# Altium PCB fMAX_MB.PcbDoc (part 3 of 13)
Units mil, origin at the board's own origin, x right, y up, seen from the top; angles counter-clockwise.
Board outline 9175 x 6300 mil, 14 copper layers (TopLayer, Gnd1, MidLayer1, Power1, MidLayer4, Power2, MidLayer2, Power3, MidLayer3, Gnd3, MidLayer6, Gnd2, MidLayer5, BottomLayer); 679 components, 896 nets, 4133 pads, 2341 vias.
Unrouted connection lines stored in the file: 4.
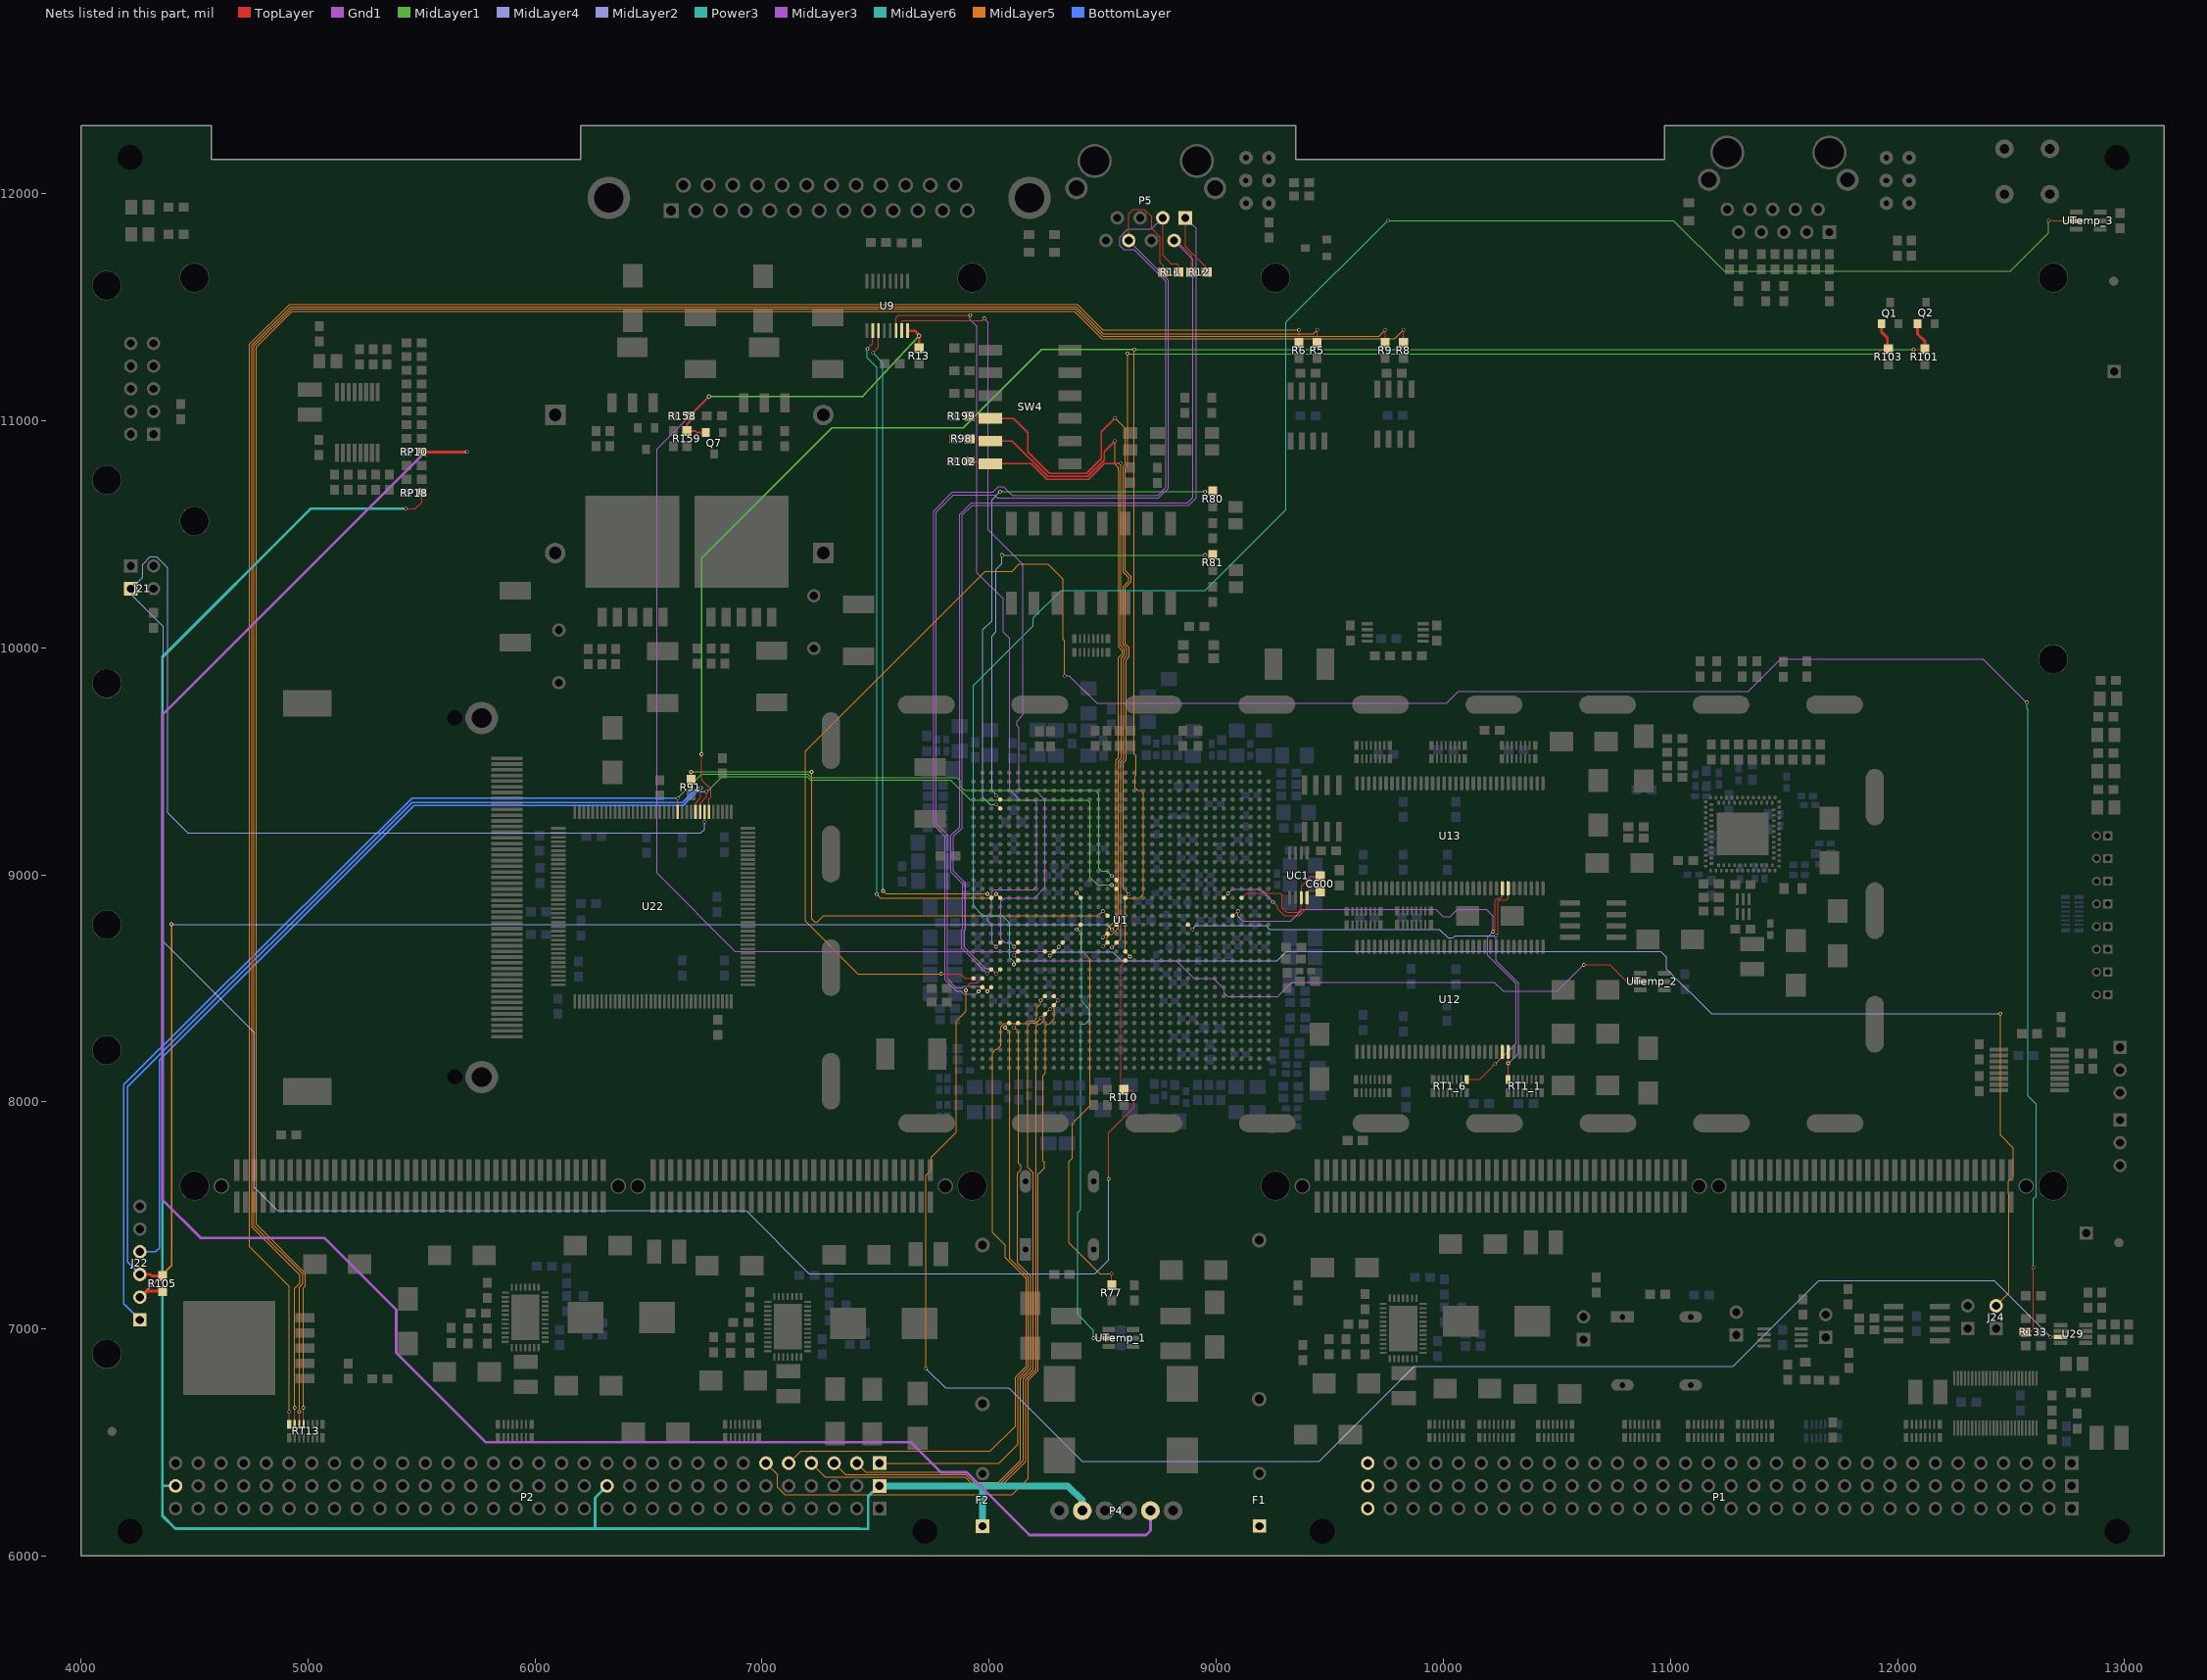
[diagram p15: the nets of this part, all layers, seen from the top]

## Footprints (in the part's own frame and the unit in brackets; to place one, negate y for a bottom-side part, rotate by r counter-clockwise, add the part's x,y. Pads: shape width x height; smd on the part's side, far side on the other; paste and mask are expansions set on the pad) (continued)
TQFP144 [mm] "144-Pin Plastic Thin Quad Flat Pack (TQFP)"
  rect 1.6x0.3 smd: 1(-10.6,8.75) 2(-10.6,8.25) 3(-10.6,7.75) 4(-10.6,7.25) 5(-10.6,6.75) 6(-10.6,6.25) 7(-10.6,5.75) 8(-10.6,5.25) 9(-10.6,4.75) 10(-10.6,4.25) 11(-10.6,3.75) 12(-10.6,3.25) 13(-10.6,2.75) 14(-10.6,2.25) 15(-10.6,1.75) 16(-10.6,1.25) 17(-10.6,0.75) 18(-10.6,0.25) 19(-10.6,-0.25) 20(-10.6,-0.75) 21(-10.6,-1.25) 22(-10.6,-1.75) 23(-10.6,-2.25) 24(-10.6,-2.75) 25(-10.6,-3.25) 26(-10.6,-3.75) 27(-10.6,-4.25) 28(-10.6,-4.75) 29(-10.6,-5.25) 30(-10.6,-5.75) 31(-10.6,-6.25) 32(-10.6,-6.75) 33(-10.6,-7.25) 34(-10.6,-7.75) 35(-10.6,-8.25) 36(-10.6,-8.75) 73(10.6,-8.75) 74(10.6,-8.25) 75(10.6,-7.75) 76(10.6,-7.25) 77(10.6,-6.75) 78(10.6,-6.25) 79(10.6,-5.75) 80(10.6,-5.25) 81(10.6,-4.75) 82(10.6,-4.25) 83(10.6,-3.75) 84(10.6,-3.25) 85(10.6,-2.75) 86(10.6,-2.25) 87(10.6,-1.75) 88(10.6,-1.25) 89(10.6,-0.75) 90(10.6,-0.25) 91(10.6,0.25) 92(10.6,0.75) 93(10.6,1.25) 94(10.6,1.75) 95(10.6,2.25) 96(10.6,2.75) 97(10.6,3.25) 98(10.6,3.75) 99(10.6,4.25) 100(10.6,4.75) 101(10.6,5.25) 102(10.6,5.75) 103(10.6,6.25) 104(10.6,6.75) 105(10.6,7.25) 106(10.6,7.75) 107(10.6,8.25) 108(10.6,8.75)
  rect 0.3x1.6 smd: 37(-8.75,-10.6) 38(-8.25,-10.6) 39(-7.75,-10.6) 40(-7.25,-10.6) 41(-6.75,-10.6) 42(-6.25,-10.6) 43(-5.75,-10.6) 44(-5.25,-10.6) 45(-4.75,-10.6) 46(-4.25,-10.6) 47(-3.75,-10.6) 48(-3.25,-10.6) 49(-2.75,-10.6) 50(-2.25,-10.6) 51(-1.75,-10.6) 52(-1.25,-10.6) 53(-0.75,-10.6) 54(-0.25,-10.6) 55(0.25,-10.6) 56(0.75,-10.6) 57(1.25,-10.6) 58(1.75,-10.6) 59(2.25,-10.6) 60(2.75,-10.6) 61(3.25,-10.6) 62(3.75,-10.6) 63(4.25,-10.6) 64(4.75,-10.6) 65(5.25,-10.6) 66(5.75,-10.6) 67(6.25,-10.6) 68(6.75,-10.6) 69(7.25,-10.6) 70(7.75,-10.6) 71(8.25,-10.6) 72(8.75,-10.6) 109(8.75,10.6) 110(8.25,10.6) 111(7.75,10.6) 112(7.25,10.6) 113(6.75,10.6) 114(6.25,10.6) 115(5.75,10.6) 116(5.25,10.6) 117(4.75,10.6) 118(4.25,10.6) 119(3.75,10.6) 120(3.25,10.6) 121(2.75,10.6) 122(2.25,10.6) 123(1.75,10.6) 124(1.25,10.6) 125(0.75,10.6) 126(0.25,10.6) 127(-0.25,10.6) 128(-0.75,10.6) 129(-1.25,10.6) 130(-1.75,10.6) 131(-2.25,10.6) 132(-2.75,10.6) 133(-3.25,10.6) 134(-3.75,10.6) 135(-4.25,10.6) 136(-4.75,10.6) 137(-5.25,10.6) 138(-5.75,10.6) 139(-6.25,10.6) 140(-6.75,10.6) 141(-7.25,10.6) 142(-7.75,10.6) 143(-8.25,10.6) 144(-8.75,10.6)
  silkscreen extent -10.72,-9.4 9.4,9.57
TrmBlk6 [mm] "Phoenix 6-Pos Terminal Block"
  round 2.1 hole 1.1: 1(0,0) 2(2.54,0) 3(5.08,0) 4(7.62,0) 5(10.16,0) 6(12.7,0)
  silkscreen extent -1.6,-3.2 14.3,3.2
TS5B [mm] "D2-PAK; 5 Leads; Body 14.4 (inc. leads) x 10.4 mm (LxW max)"
  rect 1.05x2.1 smd: 1(-3.4,-4.225) 2(-1.7,-4.225) 3(0,-4.225) 4(1.7,-4.225) 5(3.4,-4.225)
  rect 10.5x10.3 smd: 6(0,4.225)
  silkscreen extent -5.55,-5.18 5.55,9.28
TSOP-66 [mm]
  rect 1.6x0.4 smd: 1(0,0)
  oval 1.6x0.4 smd: 2(0,-0.65) 3(0,-1.3) 4(0,-1.95) 5(0,-2.6) 6(0,-3.25) 7(0,-3.9) 8(0,-4.55) 9(0,-5.2) 10(0,-5.85) 11(0,-6.5) 12(0,-7.15) 13(0,-7.8) 14(0,-8.45) 15(0,-9.1) 16(0,-9.75) 17(0,-10.4) 18(0,-11.05) 19(0,-11.7) 20(0,-12.35) 21(0,-13) 22(0,-13.65) 23(0,-14.3) 24(0,-14.95) 25(0,-15.6) 26(0,-16.25) 27(0,-16.9) 28(0,-17.55) 29(0,-18.2) 30(0,-18.85) 31(0,-19.5) 32(0,-20.15) 33(0,-20.8) 34(11.76,-20.8) 35(11.76,-20.15) 36(11.76,-19.5) 37(11.76,-18.85) 38(11.76,-18.2) 39(11.76,-17.55) 40(11.76,-16.9) 41(11.76,-16.25) 42(11.76,-15.6) 43(11.76,-14.95) 44(11.76,-14.3) 45(11.76,-13.65) 46(11.76,-13) 47(11.76,-12.35) 48(11.76,-11.7) 49(11.76,-11.05) 50(11.76,-10.4) 51(11.76,-9.75) 52(11.76,-9.1) 53(11.76,-8.45) 54(11.76,-7.8) 55(11.76,-7.15) 56(11.76,-6.5) 57(11.76,-5.85) 58(11.76,-5.2) 59(11.76,-4.55) 60(11.76,-3.9) 61(11.76,-3.25) 62(11.76,-2.6) 63(11.76,-1.95) 64(11.76,-1.3) 65(11.76,-0.65) 66(11.76,0)
  silkscreen extent 1.63,-21.13 10.12,0.33
TSSO3x5-G8/X.35 [mm] "Shrink Small Outline; 8 Leads; Body Width 3 mm; Pitch 0.65 mm"
  rect 0.35x1.5 smd: 1(-0.975,-2.075) 2(-0.325,-2.075) 3(0.325,-2.075) 4(0.975,-2.075) 5(0.975,2.075) 6(0.325,2.075) 7(-0.325,2.075) 8(-0.975,2.075)
  silkscreen extent -1.82,-2.2 1.53,0.93
TSSO5x6-G16 [mm] "Shrink Small Outline; 16 Leads; Body Width 4.4 mm; Pitch 0.65 mm"
  rect 0.3x1.65 smd: 1(-2.275,-2.775) 2(-1.625,-2.775) 3(-0.975,-2.775) 4(-0.325,-2.775) 5(0.325,-2.775) 6(0.975,-2.775) 7(1.625,-2.775) 8(2.275,-2.775) 9(2.275,2.775) 10(1.625,2.775) 11(0.975,2.775) 12(0.325,2.775) 13(-0.325,2.775) 14(-0.975,2.775) 15(-1.625,2.775) 16(-2.275,2.775)
  silkscreen extent -3.1,-2.9 2.55,1.55
TSSOP8-4.4 [mm] "8-Lead Plastic TSSOP 4.4mm"
  rect 1.25x0.381 smd: 1(0,0) 2(0,-0.65) 3(0,-1.3) 4(0,-1.95) 5(6.25,-1.95) 6(6.25,-1.3) 7(6.25,-0.65) 8(6.25,0)
  silkscreen extent 0.51,-2.28 5.3,0.89
UH38_N [mm] "38-Lead Plastic QFN"
  oval 0.8x0.25 smd: 1(-2.2,2.794)
  rect 0.8x0.25 smd: 2(-2.2,2.294) 3(-2.2,1.794) 4(-2.2,1.294) 5(-2.2,0.794) 6(-2.2,0.294) 7(-2.2,-0.206) 8(-2.2,-0.706) 9(-2.2,-1.206) 10(-2.2,-1.706) 11(-2.2,-2.206) 12(-2.2,-2.706) 20(2.25,-2.706) 21(2.25,-2.206) 22(2.25,-1.706) 23(2.25,-1.206) 24(2.25,-0.706) 25(2.25,-0.206) 26(2.25,0.294) 27(2.25,0.794) 28(2.25,1.294) 29(2.25,1.794) 30(2.25,2.294) 31(2.25,2.794)
  rect 0.25x0.8 smd: 13(-1.484,-3.35) 14(-0.984,-3.35) 15(-0.484,-3.35) 16(0.016,-3.35) 17(0.516,-3.35) 18(1.016,-3.35) 19(1.516,-3.35) 32(1.516,3.4) 33(1.016,3.4) 34(0.516,3.4) 35(0.016,3.4) 36(-0.484,3.4) 37(-0.984,3.4) 38(-1.484,3.4)
  rect 3.15x5.131 smd: 39(0.025,0.025)
  silkscreen extent -2.18,-3.3 2.26,3.56
uSOP8 [mm]
  rect 1.5x0.35 smd: 1(0,0)
  oval 1.5x0.35 smd: 2(0,-0.65) 3(0,-1.3) 4(0,-1.95) 5(5,-1.95) 6(5,-1.3) 7(5,-0.65) 8(5,0)
  silkscreen extent 1.02,-2.28 4.06,0.33

## Part data
C1 C2 C3 C4 C5 C6 C7 C13 C14 C15_1 C15_2 C15_3 C16_1 C16_2 C16_3 C18_1 C18_2 C18_3 C19_1 C19_2 C19_3 C21_1 C21_2 C21_3 C22_1 C22_2 C22_3 C30 C31 C32 C33 C34 C35 C36 C37 C38 C39 C40 C41 C42 C43 C44 C45 C46 C47 C48 C49 C50 C51 C52 C53 C54 C55 C56 C57 C58 C59 C60 C61 C62 C63 C64 C65 C66 C67 C68 C69 C70 C71 C72 C73 C74 C75 C76 C77 C78 C79 C80 C81 C82 C83 C84 C85 C86 C87 C88 C89 C90 C91 C92 C93 C94 C95 C96 C97 C98 C99 C100 C101 C102 C103 C104 C105 C106 C107 C108 C109 C110 C111 C112 C113 C114 C115 C116 C117 C118 C119 C120 C121 C122 C123 C124 C125 C126 C127 C128 C129 C130 C131 C132 C133 C134 C135 C136 C137 C138 C139 C140 C141 C142 C143 C144 C145 C146 C147 C149 C150 C151 C152 C153 C154 C155 C156 C157 C158 C159 C160 C161 C162 C163 C164 C165 C166 C167 C168 C169 C170 C171 C172 C173 C174 C175 C176 C177 C178 C179 C180 C181 C182 C183 C185 C186 C187 C188 C189 C190 C191 C192 C193 C194 C195 C196 C197 C198 C199 C200 C201 C202 C203 C204 C205 C206 C207 C208 C209 C210 C211 C212 C213 C214 C215 C216 C217 C218 C219 C220 C221 C222 C223 C224 C225 C226 C227 C228 C229 C230 C231 C232 C233 C234 C236 C237 C238 C239 C240 C241 C242 C244 C245 C247 C248 C249 C250 C251 C252 C254 C255 C256 C257 C259 C260 C261 C262 C265 C266 C267 C268 C269 C277 C278 C279 C280 C281 C282 C283 C285 C286 C287 C288 C329 C332 C335 C338 C400 C401 C600 C601 CP1 CP2 CRT1_1 CRT1_2 CRT1_3 CRT1_4 CRT1_5 CRT1_6 CRT1_7 CRT1_8 CT1 CT2 CT3 CT4 CTemp_1 CTemp_2 CTemp_3: library part "Cap Semi", "Capacitor (Semiconductor SIM Model)"
C8_1 C8_2 C8_3 C9_1 C9_2 C9_3 C10_1 C10_2 C10_3 C11_1 C11_2 C11_3 C12_1 C12_2 C12_3 C17 C20 C23 C26 C27 C28 C29 C148 C184 C235 C243 C246 C253 C258 C270 C271 C272 C273 C274 C275 C276 C284 C289 C290 C325 C326 C327 C328 C330 C331 C333 C334 C336 C337 C345: library part "Cap Pol3", "Polarized Capacitor (Surface Mount)"
D1 D2 D3 D4 D5 D6 D7 D8 D9 DS12 DS13 DS14 DS15 DS16: library part LED3, "Typical BLUE SiC LED"
D10 D11: library part "D Zener", "Zener Diode"
D17 D18: library part 1N5350B, "Silicon Zener Diode"
F1 F2 F3 F4: library part "Fuse 2", "Fuse"
J1 P3: library part "D Connector 25", "Receptacle Assembly, 25 Position, Right Angle"
J2 J3 J4 J20 J21 J24: library part Jumper_100mil
J6 J7 J8 J9 J10 J11 J12 J13: library part Jumper, "Jumper Wire"
J14 J15: "Header, 3-Pin"
J16_1 J17_1: library part 120603-1, "1.0mm FH (IEEE1386) 64-pin Connector"
J16_2 J17_2: library part 120603-2, "1.0mm FH (IEEE1386) 84-pin Connector"
J19: "Header, 5-Pin, Dual row"
J22: "Header, 6-Pin"
L1 L2 L3 L3_1 L3_2 L3_3 L4 L5 L6 L7: library part Inductor, "Inductor"
P4: library part TrmBlk_6pos, "MPT 0.5/6-2.54 Phoenix Terminal Block"
P5 P6: library part RJ45, "Network type connector shielded CAT5 Jack"
PCF: library part CF_5610, "Compactt Flash Memory Card Connector Type I Ser 5610"
Pgrd1 Pgrd2: library part Plug, "Plug"
Q1 Q2 Q3 Q5: library part MMBT3904, "NPN Switching Transistor"
Q4: library part ZXMP4A16G, "40V P-Channel Enhancement Mode MOSFET"
Q6: library part ZXMN10A11G, "100V N-Channel Enhancement Mode MOSFET"
Q7: library part MMBT3906, "PNP Switching Transistor"
R1 R2 R3 R4 R5 R6 R7 R8 R9 R10 R11 R12 R13 R14 R15 R16_1 R16_2 R16_3 R18 R19 R20 R21 R22 R23 R24 R25_1 R25_2 R25_3 R26 R27 R28 R29 R30 R31 R32 R33 R34 R35 R36 R37 R38 R39 R40 R41 R41_1 R41_2 R41_3 R42 R42_1 R42_2 R42_3 R43 R43_1 R43_2 R43_3 R44 R45 R46 R47 R47_1 R47_2 R47_3 R48 R49 R50 R51 R52 R53 R54 R55 R56 R57 R58 R59 R60 R61 R62 R63 R64 R65 R66 R67 R68 R69 R70 R71 R72 R73 R75 R76 R77 R78 R79 R80 R81 R82 R83 R84 R85 R86 R87 R88 R89 R90 R91 R92 R93 R94 R95 R96 R97 R98 R99 R100 R101 R102 R103 R104 R105 R106 R108 R109 R110 R111 R112 R113 R115 R116 R117 R118 R119 R120 R121 R122 R123 R124 R125 R126 R127 R128 R129 R130 R131 R132 R133 R134 R135 R154 R155 R156 R157 R158 R159 R160 R161 R162 R163 R164 R165 R166 R167 R168 R199 R452 R453 R454 R455 R456 R500 R501 R_ITH1_1 R_ITH1_2 R_ITH1_3 R_OSC1_1 R_OSC1_2 R_OSC1_3 RP1 RP2 RP3 RP4 RP5 RP6 RP8 RP10 RP11 RP12 RP13 RP14 RP15 RP16 RP17 RP18 RP19 RP20 RP21 RP22 RP25 RT6 Rv2_1 Rv2_2: library part "Res Semi", "Semiconductor Resistor"
RT1_1 RT1_2 RT1_3 RT1_4 RT1_5 RT1_6 RT1_7 RT1_8 RT9 RT10 RT11 RT12 RT13 RT14 RT15 RT16 RT17 RT18 RT19 RT20 RT21: library part "Res Pack3", "Isolated Resistor Network"
SW1 SW3: library part "Tiny Pushbutton Switch", "Right angle PC trough"
SW2: library part "SW DIP-8", "DIP Switch, 8 Position, SPST"
SW4: library part "SW DIP-6", "DIP Switch, 6 Position, SPST"
TPRG: library part "SW DIP-4", "DIP Switch, 4 Position, SPST"
U1: "Xilinx Virtex-4 LX Platform FPGA, 1148-Ball FFBGA, Speed Grade 11, 768 User I/Os, Commercial Grade"
U2_1 U2_2 U2_3: library part LTC3418, "8A, 4MHz, Monolithic Syncronous Step-Down Regulator"
U3: library part SN74AVC2T45, "Dual-bit Dual-supply Bus Transceiver"
U4: library part DS92LV010A, "Bus LVDS 3.3/5.0V Single Transceiver"
U5 U24: library part Osc_Socket, "1108800 ARIES Oscillator Socket"
U6 U7: library part ADM3485, "20 Mbps, EIA RS-485 Transceiver"
U9: library part DS90LV049, "3V LVDS Dual Line Transceiver"
U11: library part LM2931CS, "Series Low-Dropout Regulator"
U12 U13: library part MT46V16M16, "256Mb, 4Meg X 16 X 4 banks DDR SDRAM"
U14: library part LM2991S, "Negative Low-Dropout Adjustable Regulator"
U15: library part ADM3202, "Line Drivers/Receivers"
U16: library part 24AA04/24LC04B, "4K I2C Serial EEPROM"
U20: library part M88E1111-CAA, "Alaska Single-Port Gigabir Transceiver"
U21 U25: library part LED_Tri
U22: "System ACE CF Xilinx"
U27: library part SN74AVCB164245, "16-Bit Dual-Supply Bus Transceiver with CVT and 3-state"
U28: library part LP2996, "DDR Termination Regulator"
U29: library part MAX6734, "uP Supervisory Circuit"
U33: library part LP3966, "3A Fast Ultra Low Dropout Linear Regulator"
UC1: library part MAX6685, "Dual-Output Remote-Junction Temperature Switch"
UP1: library part ADC128S102, "8-Channels, 500kSPS to 1 MSPS, 12-Bit ADC"
Uphy: library part LMV7219, "Voltage Comparator"
UTemp_1 UTemp_2 UTemp_3: library part ADT7301, "Digital Temperature Sensor, 13-Bit, +/-1 Degree Accurate"

## Free pads (board coordinates)
  round 130 hole 125: 0(4114.17,10738.19) 0(4114.17,11594.49) 0(4500,11630) 1(4114.17,9842.52) 1(4500,10557) 2(4114.17,8779.53) 2(7925,11630) 3(4114.17,8228.35) 4(4114.17,6889.76) 4(4500,7630) 5(7925,7630) 6(9261,7630) 7(12686,7630) 8(9261,11630) 10(12686,11630) 11(12686,9950)
  rect 13.78x53.15 smd: 0(11320,8825)
  round 50 hole 110: 1(12966,12159) 4(4216,12159)

## Via types
v1: diameter 16, hole 10, TopLayer to BottomLayer, tented both sides, 2192 vias
v2: diameter 36, hole 20, TopLayer to BottomLayer, tented both sides, 84 vias
v3: diameter 20, hole 10, TopLayer to BottomLayer, tented both sides, 61 vias
v4: diameter 160, hole 125, TopLayer to BottomLayer, tented both sides, 4 vias

## Nets (pads, with @x,y where several pads share a name; then routed paths per layer and width w, separated by ;. In a path a pad name is that pad's centre, name@x,y a point inside that pad or via, vN(x,y) a via of type N, cw(c..) or ccw(c..) an arc to the next point about the centre after c; other vN are vias at no path point)
BP_MASTER0: P2.C1 U1.AK29 | length 2568.9
  TopLayer w5: v1@8069,8328 8087.87,8346.87 U1.AK29@8087.87,8347.24
  MidLayer5 w5: P2.C1@7517,6411 P2.C1@7517,6409 8041.87,6409 8125.98,6493.11 8125.98,6784.92 8173,6831.93 8173,7227.59 8090.55,7310.04 8090.55,8306.1 8070,8326.65 v1(8070,8327)
BP_MASTER1: P2.C2 U1.AJ29 | length 2793.2
  TopLayer w5: v1(8108,8328) U1.AJ29@8127.24,8347.24
  MidLayer5 w5: P2.C2@7417,6409 7457,6369 7901,6369 7945,6325 8040.81,6325 8137.8,6421.99 8137.8,6782.58 8183,6827.79 8183,7232.35 8124.02,7291.34 8124.02,7685.04 8140.75,7701.77 8140.75,7718.5 8128.94,7730.31 8128.94,8308.07 8109.01,8328 v1(8108,8328)
BP_MASTER2: P2.C3 U1.AF28 | length 2956.6
  TopLayer w5: v1(8228,8369) 8245.35,8386.35 U1.AF28@8245.35,8386.61
  MidLayer5 w5: P2.C3@7317,6409 7367,6359 7896.86,6359 7940.86,6315 8044.95,6315 8150.59,6420.64 8150.59,6781.24 8193,6823.65 8193,7688 8169.29,7711.71 8169.29,8335.63 8179.68,8346.02 8179.68,8347 8206,8347 v1(8228,8369)
BP_MASTER3: P2.C4 U1.AE27 | length 3097.9
  TopLayer w5: v1(8267,8408) 8284.72,8425.72 U1.AE27@8284.72,8425.98
  MidLayer5 w5: P2.C4@7217,6409 7277.57,6348.43 7893.29,6348.43 7936.72,6305 8049.09,6305 8161.42,6417.32 8161.42,6777.92 8206,6822.5 8206,7689.14 8207.68,7690.82 8207.68,8332.68 8218.49,8343.49 8225.49,8343.49 8244,8362 8244,8385 v1(8267,8408)
BP_MASTER4: P2.C5 U1.AF26 | length 3210.2
  TopLayer w5: v1(8227,8447) U1.AF26@8245.35,8465.35
  MidLayer5 w5: P2.C5@7117,6409 7170.6,6462.6 8004.92,6462.6 8115.16,6572.83 8115.16,6788.23 8163,6836.07 8163,7220.86 8070,7313.86 8070,7368.98 8013.78,7425.2 8013.78,8216.54 8027.56,8230.32 8033.46,8230.32 8051.18,8248.03 8051.18,8330.28 8067.36,8346.46 8163.39,8346.46 8173.93,8357 8198.54,8357 8209.65,8368.11 8209.65,8412.4 8227,8429.76 v1(8227,8447)
BP_MASTER5: P2.C6 U1.AE26 | length 3471
  TopLayer w5: U1.AE26@8284.72,8465.35 8284.72,8464.72 v1(8304,8447)
  MidLayer5 w5: P2.C6@7017,6409 7068,6358 7068,6303 7100,6271 8101.71,6271 8173.23,6342.52 8173.23,6775.59 8216,6818.36 8216,7682.09 8244.09,7710.18 8244.09,7733.27 8237,7740.36 8237,8116.92 8247.05,8126.97 8247.05,8334.65 8256.66,8344.25 8264.25,8344.25 8286,8366 8286,8429 v1(8304,8447)
BP_RS485AN_1: R9.2 RT13.6 | length 10011.5
  TopLayer w5: RT13.6@4962,6580.43 v1(4962,6635) ; R9.2@9744.38,11341.62 v1(9744.38,11399.62)
  MidLayer5 w5: v1(4962,6635) 4962,7184.86 4977,7199.86 4977,7241 4763,7455 4763,11327.72 4927.28,11492 8379.72,11492 8500.72,11371 9715.76,11371 v1(9744.38,11399.62)
BP_RS485AP_1: R8.2 RT13.5 | length 10077
  TopLayer w5: v1(4980.31,6653.54) 4980.31,6580.94 RT13.5@4981.26,6580 ; R8.2@9824.38,11341.62 v1(9824.38,11399.62)
  MidLayer5 w5: v1(4980.31,6653.54) 4980.31,7181.1 4988.19,7188.98 4988.19,7244.09 4773,7461 4773,11323.57 4931.43,11482 8375.57,11482 8496.57,11361 9785.76,11361 v1(9824.38,11399.62)
BP_RS485BN_1: R6.2 RT13.8 | length 9626.2
  TopLayer w5: RT13.8@4917.28,6580 v1@4917.28,6634.28 ; R6.2@9364.38,11341.62 v1(9364.38,11399.62)
  MidLayer5 w5: v1(4917,6635) 4917,7188 4743,7362 4743,11336 4919,11512 8388,11512 8500.38,11399.62 v1(9364.38,11399.62)
BP_RS485BP_1: R5.2 RT13.7 | length 9727.9
  TopLayer w5: v1(4940.94,6653.54) 4940.94,6580.95 RT13.7@4941.89,6580 ; R5.2@9444.38,11341.62 9444.38,11399.38 v1(9445,11400)
  MidLayer5 w5: v1(4940.94,6653.54) 4942,7179 4966,7203 4966,7236 4753,7449 4753,11331.86 4923.14,11502 8383.86,11502 8502.86,11383 9428,11383 v1(9445,11400)
BUS_ERROR_1_5: R80.1 U1.AL5 | length 2410.5
  TopLayer w4: v1(8950.08,10688.08) R80.1@8984.79,10688.08
  TopLayer w5: v1(8030,9310) 8047.87,9292.13 U1.AL5@8048.5,9292.13
  MidLayer1 w5: v1(8048.09,10688.08) v1(8950.08,10688.08)
  MidLayer4 w5: v1(8030,9310) 8004.96,9310 7972.44,9342.52 7972.44,10079.72 8011.81,10119.09 8011.81,10651.81 v1(8048.09,10688.08)
BUS_ERROR_2_5: R81.1 U1.AL4 | length 2038.8
  TopLayer w4: v1(8950.92,10408.08) R81.1@8984.79,10408.08
  TopLayer w5: v1(8030,9350) U1.AL4@8048.5,9331.5
  MidLayer1 w5: v1(8056.09,10408.08) v1(8950.92,10408.08)
  MidLayer4 w5: v1(8030,9350) 8030,9352.87 8011.81,9371.06 8011.81,10051.18 8030.51,10069.88 8030.51,10344.49 8056.09,10370.06 v1(8056.09,10408.08)
CS1: U1.AB15 UTemp_1.5 | length 2139.5
  TopLayer w5: v1(8385,8920) 8385,8916.26 U1.AB15@8402.83,8898.43 ; v1(8459.65,6959.65) UTemp_1.5@8526.5,6959.65
  MidLayer6 w5: v1(8385,8920) 8385,8918.15 8406.5,8896.65 8406.5,8441.93 8441.93,8406.5 8441.93,8362.2 8423.22,8343.5 8407.47,8343.5 8403.54,8339.57 8403.54,7526.57 8389.76,7512.8 8389.76,7063.98 8459.65,6994.09 v1(8459.65,6959.65)
CS2: U1.AJ21 UTemp_2.5 | length 2987.4
  TopLayer w5: v1(8110,8645) U1.AJ21@8127.24,8662.2 ; v1(10618.11,8603.35) 10733.27,8603.35 10806.61,8530 UTemp_2.5@10866.85,8530
  MidLayer3 w5: v1(8110,8645) 8110,8643.94 8131.89,8622.05 8822.83,8622.05 8900.59,8544.29 8987.2,8544.29 9034.45,8497.05 9034.45,8479.33 9049.21,8464.57 9270.67,8464.57 9332.68,8526.57 10224.41,8526.57 10263.78,8487.2 10501.97,8487.2 v1(10618.11,8603.35)
CS3: U1.AJ22 UTemp_3.5 | length 7801.8
  TopLayer w5: v1(8109,8605) 8126.83,8622.83 U1.AJ22@8127.24,8622.83 ; v1(12665.35,11879.92) UTemp_3.5@12786.77,11879.92
  MidLayer1 w5: v1(9754.92,11880.91) 11013.78,11880.91 11237.2,11657.48 12496.06,11657.48 12665.35,11826.77 v1(12665.35,11879.92)
  MidLayer6 w5: v1(8109,8605) 8109,8616.39 8090.55,8634.84 8090.55,8788.39 8058.07,8820.87 7972.44,8820.87 7930.12,8863.19 7930.12,9833.66 8193.9,10097.44 8193.9,10130.91 8315.94,10252.95 8951.77,10252.95 9307.09,10608.27 9307.09,11433.07 v1(9754.92,11880.91)
DDR_BA0: RT1_6.9 U1.E17 U12.26 U13.26 | length 2432.8
  TopLayer w5: U1.E17@9072.13,8819.68 9074.68,8819.68 v1(9095,8840) ; RT1_6.9@10102.72,8099.06 10161.06,8099.06 10259.76,8197.76 U12.26@10259.76,8220 ; v1(10219.49,8750) 10228.35,8758.86 10228.35,8885.83 10240.95,8898.43 10252.76,8898.43 10259.76,8905.43 U13.26@10259.76,8940
  Gnd1 w5: v1(10219.49,8750) 10194.88,8725.39 10194.88,8644.84 10319.88,8519.84 10319.88,8257.88 v1(10227.82,8165.82)
  MidLayer3 w5: v1(9095,8840) 9095,8818.7 9106.14,8807.56 9106.14,8807.24 9117.8,8795.59 9328.07,8795.59 9379.92,8847.44 9967.56,8847.44 10000,8815 10030,8815 10062.44,8847.44 10188.98,8847.44 10219.49,8816.93 v1(10219.49,8750)
DDR_BA1: RT1_1.16 U1.K18 U12.27 U13.27 | length 2393.5
  TopLayer w5: U1.K18@8875.28,8780.31 8875.28,8779.72 v1(8895,8760) ; v1(10232.28,8731.3) 10240.16,8739.17 10240.16,8882.87 10245.71,8888.43 10278.19,8888.43 10285.36,8895.59 U13.27@10285.36,8940 ; RT1_1.16@10285.08,8099.06 10285.08,8219.72 U12.27@10285.36,8220
  Gnd1 w5: v1(10232.28,8731.3) 10232.28,8621.58 10330.71,8523.16 10330.71,8214.92 v1(10285.08,8169.29)
  MidLayer4 w5: v1@8895,8759.53 v1@8895,8762.64 ; v1@8895,8761.81 8909.76,8776.57 9217.52,8776.57 9234.25,8759.84 9982.28,8759.84 10019.69,8722.44 10043.31,8722.44 10052.17,8731.3 v1(10232.28,8731.3)
DXN_10: C600.1 U1.F15 UC1.4 | length 594.2
  TopLayer w5: U1.F15@9032.76,8898.43 9032.76,8898.9 v1(9052.17,8918.31) ; v1@9250.98,8879.92 9269.69,8861.22 9269.69,8850.31 9300,8820 9365,8820 9399.77,8854.77 UC1.4@9399.77,8899 ; UC1.4@9400.39,8882.67 9400.39,8921.31 9406.61,8927.54 C600.1@9458,8927.54
  MidLayer3 w5: v1(9052.17,8918.31) 9053.15,8918.31 9071.85,8937.01 9193.9,8937.01 v1(9250,8880.91)
DXP_10: C600.2 U1.D15 UC1.3 | length 562.6
  TopLayer w5: U1.D15@9111.5,8898.43 9112.99,8898.43 9133.86,8919.29 9280.71,8919.29 9290,8910 9290,8855 9310,8835 9360,8835 9374.18,8849.18 UC1.3@9374.18,8899 ; UC1.3@9374.8,8884.64 9374.8,8952.55 9416.71,8994.46 C600.2@9458,8994.46
EXPANSION_TCK_10: J22.4 U1.V14 U22.80 | length 6148.5
  TopLayer w5: U22.80@6726.69,9277.32 6726.69,9314.69 6755,9343 v1(6755,9366) ; v1(8540,8955) U1.V14@8560.32,8937.8
  MidLayer1 w5: v1(6755,9366) 6756.75,9366 6823.75,9433 7197.54,9433 7213.22,9417.32 7829.72,9417.32 7917.32,9329.72 8431.1,9329.72 8443.9,9316.93 8443.9,8989.17 8478.07,8955 v1(8540,8955)
  BottomLayer w6: J22.4@4260,7340 4329.17,7340 4345.47,7356.3 4345.47,8183.47 5467,9305 6651.56,9305 6712.56,9366 v1(6755,9366)
EXPANSION_TDI_10: J22.2 R105.1 U1.V18 | length 5990
  TopLayer w5: v1(8540,8760) U1.V18@8560.32,8780.31
  TopLayer w12: J22.2@4260,7140 4269,7140 4295.54,7166.54 R105.1@4360,7166.54
  MidLayer2 w5: v1(4399,8782) 8519,8782 8540,8761 v1(8540,8760)
  MidLayer5 w6: J22.2@4260,7140 4260.08,7140 4399,7278.92 v1(4399,8782)
EXPANSION_TDO_10: J22.3 R105.2 U22.81 | length 4135.4
  TopLayer w5: U22.81@6707.01,9277.32 6707.01,9317.01 6730,9340 v1(6730,9383)
  TopLayer w12: J22.3@4260,7240 4306,7240 4312.54,7233.46 R105.2@4360,7233.46
  BottomLayer w6: J22.3@4260,7240 4260,7241.97 4206.69,7295.28 4206.69,8066.93 5458.76,9319 5463.58,9319 6650,9319 6714,9383 v1(6730,9383)
EXT5V5N: F2.1 P2.B1 P2.B13 P2.B32 P4.2 RP18.2 | length 10000.7
  TopLayer w5: v1@5431.46,10612 5472.24,10612 5501.35,10641.11 RP18.2@5501.35,10681.88
  Power3 w12: P2.B32@4417,6309 4359,6309 ; v1@5431.46,10612 v1(5431,10612) 5012,10612 4359,9959 4359,6309 ; P2.B13@6317,6309 6317,6308 6265,6256 6265,6121 ; P2.B1@7517,6309 7513,6309 7467,6263 7467,6120 7429,6121 6265,6121 ; 4359,6309 4359,6178 4416,6121 6265,6121
  Power3 w30: P2.B1@7517,6309 7970,6309 ; F2.1@7970,6130.67 7970,6131 7970,6309 ; P4.2@8410,6200 8410,6245 8346,6309 7970,6309
EXT5V5P: F1.1 P1.A32 P1.B32 P1.C32 P4.5 RP10.2 | length 9322.2
  TopLayer w12: RP10.2@5501.35,10861.88 v1(5699.88,10861.88)
  Gnd1 w12: v1(5699.88,10861.88) 5516.88,10861.88 4360,9705 4360,7568 4527,7401 5072,7401 5389,7084 5389,6895 5783,6501 7656,6501 7788,6369 7901,6369 8177,6093 8691,6093 8710,6112 P4.5@8710,6200
FDI_1: R133.1 U1.AP24 | length 10792.7
  TopLayer w5: v1(7788.39,8563.98) 7875,8563.98 7894.88,8544.09 U1.AP24@7930.39,8544.09 ; R133.1@12564.85,6986.06 12584.49,6986.06 12598.43,7000 v1(12598.42,7271.65)
  MidLayer3 w5: v1(8331.69,9876.97) 8352.36,9876.97 8473.43,9755.91 10013.78,9755.91 10065.94,9808.07 11342.52,9808.07 11484.25,9949.8 12376.97,9949.8 v1@12569.88,9756.89
  MidLayer5 w5: v1(7788.39,8563.98) 7421.26,8563.98 7189.96,8795.28 7189.96,9544.29 7982.28,10336.61 8100.39,10336.61 8131.89,10368.11 8257.87,10368.11 8324.8,10301.18 8324.8,10036.42 8331.69,10029.53 v1(8331.69,9876.97)
  MidLayer6 w5: v1(12569.88,9758.86) 12569.88,9731.3 12574.8,9726.38 12574.8,8025.59 12610.24,7990.16 12610.24,7584.65 12598.42,7572.83 v1(12598.42,7271.65)
FDT_1: U1.AN24 U29.3 | length 7436.9
  TopLayer w5: v1(7897.64,8491.14) 7897.64,8503.94 7917.32,8523.62 7948.82,8523.62 7969.29,8544.09 U1.AN24@7969.76,8544.09 ; v1(12674.12,6964.88) U29.3@12718.32,6964.88
  MidLayer5 w5: v1(7721.46,6826.77) 7721.46,7677.17 7745.08,7700.79 7745.08,7756.89 7854.33,7866.14 7854.33,8355.31 7897.64,8398.62 v1(7897.64,8491.14)
  MidLayer4 w5: v1(7721.46,6826.77) 7721.46,6825.79 7807.09,6740.16 8085.63,6740.16 8409.45,6416.34 9452.76,6416.34 9872.05,6835.63 11276.57,6835.63 11654.53,7213.58 12425.42,7213.58 v1@12672.24,6966.76
FP_LVDS_AN_1: P5.2 R12.2 U1.AM23 | length 4535.4
  TopLayer w5: v1(7991,8565) 8009.13,8583.13 U1.AM23@8009.13,8583.46 ; P5.2@8814.38,11793.16 8823.84,11793.16 8890.54,11726.46 R12.2@8890.54,11654
  Gnd1 w5: v1(7991,8565) 7878.08,8677.92 7878.08,8757.1 7884.19,8763.21 7884.19,8959.32 7832,9011.5 7832,9173 7870,9211 7870,10586.54 7921.26,10637.8 8874.02,10637.8 8897.64,10661.42 ; P5.2@8814.38,11793.16 8898,11709.54 8897.69,10661.42
FP_LVDS_AP_1: P5.1 R12.1 U1.AL23 | length 4746.7
  TopLayer w5: v1(8030,8565) U1.AL23@8048.5,8583.46 ; P5.1@8864.38,11893.16 8864.38,11766.76 8957.46,11673.68 R12.1@8957.46,11654
  Gnd1 w5: 7889.13,8682.43 7985.24,8586.32 ; 7894.69,8963.58 7843,9015.27 7843,9168.44 7881,9206.44 7881,10583.39 7925.4,10627.8 8879.76,10627.8 8909.45,10657.48 ; 7985.56,8586 8009,8586 v1(8030,8565) ; P5.1@8864.38,11893.16 8909,11848.54 8909.4,10657.48 8909.4,10657.43
  Gnd1 w6: 7889.13,8682.43 7889.13,8753.3 7894.69,8758.86 7894.69,8963.58
FP_LVDS_BN_1: P5.6 R11.2 U1.AM25 | length 5060.4
  TopLayer w5: v1(7992,8487) 8009.13,8504.13 U1.AM25@8009.13,8504.72 ; P5.6@8614.38,11783.62 8614.38,11911.38 8634,11931 8682,11931 8715,11898 8715,11846 8753,11808 8753,11695 8766.54,11681.46 R11.2@8766.54,11654
  Gnd1 w5: v1(7992,8487) 7970.14,8508.86 7887.8,8508.86 7882.66,8503.72 7853.83,8503.72 7816,8541.56 7816,9175 7766,9225 7766,10596.71 7842.52,10673.23 8023.62,10673.23 8036.42,10660.43 8747.05,10660.43 8790,10703.39 8790,11617.54 P5.6@8614.38,11793.16
FP_LVDS_BP_1: P5.3 R11.1 U1.AN25 | length 5106.9
  TopLayer w5: v1(7953,8487) 7969.76,8503.76 U1.AN25@7969.76,8504.72 ; P5.3@8764.38,11893.16 8764.38,11728.38 8801.76,11691 8825,11691 8833.46,11682.54 R11.1@8833.46,11654
  Gnd1 w5: v1(7953,8487) 7941.39,8475.39 7888.78,8475.39 7877.17,8487 7855,8487 7805,8537 7805,9170 7755,9220 7755,10601.46 7838.58,10685.04 8016.73,10685.04 8040.35,10708.66 8062.01,10708.66 8100.24,10670.43 8742.91,10670.43 8779,10706.53 8779,11612.98 8638.98,11753 8592,11753 8575,11770 8575,11808 8610,11843 8714.22,11843 P5.3@8764.38,11893.16
FPGA_CLK_FS_1: U1.AL20 U9.14 | length 3558.8
  TopLayer w5: U9.14@7589.85,11395.59 7589.85,11454.02 7600.39,11464.57 v1(7916.34,11464.57) ; v1(8030,8683) 8048.5,8701.5 U1.AL20@8048.5,8701.57
  MidLayer3 w5: v1(7916.34,11464.57) 7916.34,11445.87 7946.85,11415.35 7946.85,10330.71 8062.99,10214.57 8062.99,10067.91 8090.55,10040.35 8090.55,9375 8135.83,9329.72 8195.87,9329.72 8208.66,9316.93 8208.66,8948.82 8194.88,8935.04 8021.65,8935.04 8010.83,8924.21 8010.83,8836.61 7994.09,8819.88 7994.09,8799.21 8012.8,8780.51 8012.8,8699.8 8029.6,8683 v1(8030,8683)
FPGA_CLK_TS_1: U1.AL15 U9.10 | length 3073.4
  TopLayer w5: v1(7463.58,11315.94) 7487.49,11339.85 U9.10@7487.49,11395.59 ; v1(8031,8916) 8048.5,8898.5 U1.AL15@8048.5,8898.43
  MidLayer5 w5: v1(7504.92,8914.37) 7521.29,8898 8013,8898 v1(8031,8916)
  MidLayer6 w5: v1(7463.58,11315.94) 7463.58,11275.59 7504.92,11234.25 v1(7504.92,8914.37)
FPGA_DATA_FS_1: U1.AJ20 U9.15 | length 3565.7
  TopLayer w5: U9.15@7614.98,11395.75 7614.98,11435.84 7620.08,11440.94 7969.49,11440.94 v1(7978.35,11449.8) ; v1(8110,8683) 8127.24,8701.24 U1.AJ20@8127.24,8701.57
  MidLayer3 w5: v1(7978.35,11449.8) 7996.06,11432.09 7996.06,10518.7 8148.62,10366.14 8148.62,9703.74 8122.05,9677.17 8122.05,9656.5 8130.91,9647.64 8130.91,9383.86 8143.7,9371.06 8203.74,9371.06 8246.06,9328.74 8246.06,8944.88 8199.8,8898.62 8067.91,8898.62 8051.18,8881.89 8051.18,8718.5 8068.9,8700.79 8092.52,8700.79 8110,8683.31 v1(8110,8683)
FPGA_DATA_TS_1: U1.AM15 U9.11 | length 2984.7
  TopLayer w5: v1(7488.19,11298.23) 7513.08,11323.12 U9.11@7513.08,11395.59 ; v1(7992,8916) 8009.13,8898.87 U1.AM15@8009.13,8898.43
  MidLayer5 w5: v1(7532.48,8929.13) 7545.61,8916 v1(7992,8916)
  MidLayer6 w5: v1(7488.19,11298.23) 7532.48,11253.94 v1(7532.48,8929.13)
FPGA_DONE_10: Q1.1 R103.1 U1.U15 | length 5940.1
  TopLayer w5: U1.U15@8599.69,8898.43 8599.69,8899.69 v1(8615,8915) ; v1(11909.45,11293.31) 11929.61,11313.46 R103.1@11960,11313.46
  TopLayer w12: Q1.1@11929.6,11425.76 11929.6,11390.4 11955,11365 R103.1@11955,11315
  MidLayer1 w5: v1(8609.25,11296.26) 8612.2,11293.31 v1(11909.45,11293.31)
  MidLayer5 w5: v1(8609.25,11296.26) 8609.25,10802.79 8600,10793.53 8600,10337.99 8625,10312.99 8625,10289.99 8600,10264.99 8600,10017.13 8617.13,10000 8617.13,9960.53 8603.35,9946.75 8603.35,9506.79 8589.72,9493.16 8589.72,8938.82 8613.54,8915 v1(8615,8915)
FPGA_INIT_10: Q2.1 R101.1 U1.U21 U22.78 | length 9836.5
  TopLayer w4: v1(12070.53,11313.47) R101.1@12120,11313.46
  TopLayer w5: v1(6733,9531) 6733,9418 6774,9377 6774,9341 6766.06,9333.06 U22.78@6766.06,9277.32 ; U1.U21@8599.69,8662.2 8599.69,8660.31 v1(8620,8640)
  TopLayer w12: Q2.1@12088.6,11426.76 12088.6,11381.4 12120,11350 R101.1@12120,11313.46
  MidLayer1 w5: v1@8638.47,11313.47 v1(12070.53,11313.47)
  MidLayer1 w6: v1(6733,9531) 6733,10394 7308,10969 7885,10969 8229.47,11313.47 v1(8639,11313.47)
  MidLayer5 w5: v1(8620,8640) 8620,8641 8600,8661 8600,8888 8610,8898 8661.78,8898 8679.52,8915.74 8679.52,9357.88 8666.34,9371.06 8652.56,9371.06 8641.73,9381.89 8641.73,9434.65 8647,9439.92 8647,9523 8639,9531 v1(8639,11313.47)
FPGA_M0_10: R102.2 SW4.12 U1.W20 | length 2931.3
  TopLayer w5: R102.2@7913.46,10820 7994.8,10820 SW4.12@8004.8,10810 ; v1@8502,8683 8520.57,8701.57 U1.W20@8520.94,8701.57
  TopLayer w6: SW4.12@8004.8,10810 8186.25,10810 8254.13,10742.13 8437.99,10742.13 8506.87,10811 v1(8580,10811)
  MidLayer5 w5: v1(8502.64,8683.64) 8520,8701 8520,8726 8533,8739 8541,8739 8569,8767 8569,9500.72 8581.69,9513.42 8581.69,9953.38 8596,9967.68 8596,9992 8580,10008 v1(8580,10811)
FPGA_M1_10: R98.2 SW4.11 U1.W19 | length 3057.6
  TopLayer w5: R98.2@7913.46,10920 7994.8,10920 SW4.11@8004.8,10910 ; v1(8500,8724.41) 8515.94,8740.94 U1.W19@8520.94,8740.94
  TopLayer w6: SW4.11@8004.8,10910 8101.81,10910 8257.87,10753.94 8433.07,10753.94 8505.91,10826.77 8505.91,10862.2 v1(8554.13,10910.43)
  MidLayer5 w5: v1(8500,8724.41) 8520,8745 8520,8762 8559,8801 8559,9504.87 8569.88,9515.75 8569.88,9955.71 8586,9971.83 8586,9987 8570,10003 8569.88,10781.5 8569.88,10792.32 8554.13,10808.07 v1(8554.13,10910.43)
FPGA_M2_10: R199.2 SW4.10 U1.V20 | length 3401.1
  TopLayer w5: R199.2@7913.46,11020 7994.8,11020 SW4.10@8004.8,11010 ; v1(8540,8680) 8560.32,8700.32 U1.V20@8560.32,8701.57
  TopLayer w6: SW4.10@8004.8,11010 8107.13,11010 8170.28,10946.85 8170.28,10863.19 8265.75,10767.72 8429.13,10767.72 8494.09,10832.68 8494.09,10950.79 v1(8554.13,11010.83)
  MidLayer5 w5: v1(8540,8680) 8540.24,8680 8579.72,8719.49 8579.72,9497.31 8592.52,9510.1 8592.52,9950.06 8606.3,9963.84 8606.3,9996.06 8590,10012.36 8590,10269.13 8614.17,10293.31 8614.17,10308.07 8590,10332.24 8590,10797.68 8598.43,10806.1 8598.43,10966.54 v1(8554.13,11010.83)
FPGA_PROG_B_10: J21.1 R110.1 U1.U22 U22.79 | length 12072.7
  TopLayer w5: v1(8526.58,7660.43) 8526.57,7864.17 8638.78,7976.38 8638.78,8035.43 8620.75,8053.46 R110.1@8593,8053.46 ; R110.1@8580,8054.46 8580,8601 8599.69,8620.69 U1.U22@8599.69,8622.83
  TopLayer w8: v1(6746.38,9234.38) U22.79@6746.38,9277.32
  MidLayer1 w5: J21.1@4220,10240 J21.1@4220,10260
  MidLayer2 w5: J21.1@4220,10259 4272,10311 4272,10367 4305,10400 4334,10400 4383.5,10350.5 4383.5,9272.5 4472,9184 6729.76,9184 6746.38,9200.62 v1(6746.38,9234.38) ; J21.1@4220,10260 4220,10235.71 4362.5,10093.21 4362.5,8706.4 4763.78,8305.12 4763.78,7622.05 4865.16,7520.67 6929.13,7520.67 7206.69,7243.11 8466.54,7243.11 8526.58,7303.15 v1(8526.58,7660.43)
FPGA_REGULATOR_SYNC_1: R77.2 U1.AB18 | length 1768.3
  TopLayer w5: v1(8385,8760) 8402.83,8777.83 U1.AB18@8402.83,8780.31 ; v1(8539.37,7243.11) 8539.37,7194.09 R77.2@8540,7193.46
  MidLayer5 w5: v1(8385,8760) 8389.61,8760 8405.51,8744.09 8405.51,8667.32 8443.9,8628.94 8443.9,7982.28 8366.14,7904.53 8366.14,7751.97 8351.38,7737.2 8351.38,7378.94 8487.2,7243.11 v1(8539.37,7243.11)
FPGA_SQUID_ENABLE_1: Q7.2 R13.2 R158.1 R159.2 U1.AD20 U9.16 | length 5574.8
  TopLayer w5: v1(8306,8683) 8324.09,8701.09 U1.AD20@8324.09,8701.57
  TopLayer w8: Q7.2@6751.72,10948.01 6712.99,10948.01 6706.77,10954.23 R159.2@6669.13,10954.23 6669.13,10983 6682.59,10996.46 6682.59,11022.46 v3(6766.06,11105.94)
  TopLayer w12: U9.16@7641.03,11395.59 7672.41,11395.59 7691.47,11376.53 R13.2@7691.47,11318.31
  MidLayer1 w8: v3(6766.06,11105.94) 7442,11105 v3(7691.47,11374)
  MidLayer3 w5: v3@6765,11105 6536.42,10876.42 6536.42,9006.89 6880.91,8662.4 8288.39,8662.4 v1@8306,8680.02
FPGA_TDI_10: R91.1 U1.W17 | length 2552.6
  TopLayer w5: R91.1@6687,9417.46 v1(6687,9453) ; v1(8500,8840) 8500.63,8840 U1.W17@8520.94,8819.68
  MidLayer1 w5: v1(6687,9453) v1(7218,9453)
  MidLayer5 w5: v1(7218,9453) 7218,8804 7231,8791 7243,8791 7271,8819 8479,8819 v1(8500,8840)
FPGA_TMS_10: J22.1 U1.V13 U22.85 | length 6457.6
  TopLayer w5: U22.85@6628.27,9277.32 v1(6628.27,9337) ; v1(8540,8995) 8557.83,8977.17 U1.V13@8560.32,8977.17
  MidLayer1 w5: v1(6628.27,9337) 6734.34,9443 7201.69,9443 7215.55,9429.13 7857.28,9429.13 7873.03,9413.39 7873.03,9389.76 7891.73,9371.06 8466.54,9371.06 8483.27,9354.33 8483.27,9028.54 8496.06,9015.75 8518.7,9015.75 v1@8539.45,8995
  BottomLayer w6: 4188.98,8076.77 4188.98,7112.2 4260,7041.18 J22.1@4260,7040 ; 4189.53,8076.21 5458,9337 v1(6628.27,9337)
FVC_1: J24.2 U1.AE21 U1.AF21 | length 5777.1
  TopLayer w5: U1.AF21@8245.35,8662.2 U1.AE21@8284.72,8662.2 8284.72,8661.72 v1(8267,8644)
  MidLayer5 w5: J24.2@12434,7102 12491.3,7159.3 12491.3,7593.66 12487.36,7597.6 12487.36,7651.73 12509.84,7674.21 12509.84,7795.64 12452.76,7852.72 v1(12452.76,8388.78)
  MidLayer4 w5: v1(8267,8644) 8283.43,8660.43 8543.31,8660.43 8581.69,8622.05 9268.7,8622.05 9308.07,8661.42 10957.68,8661.42 10983.27,8635.83 10983.27,8585.63 11180.12,8388.78 v1(12452.76,8388.78)